# Altium PCB Spectre-Analyzer.PcbDoc (part 1 of 2) (continued)
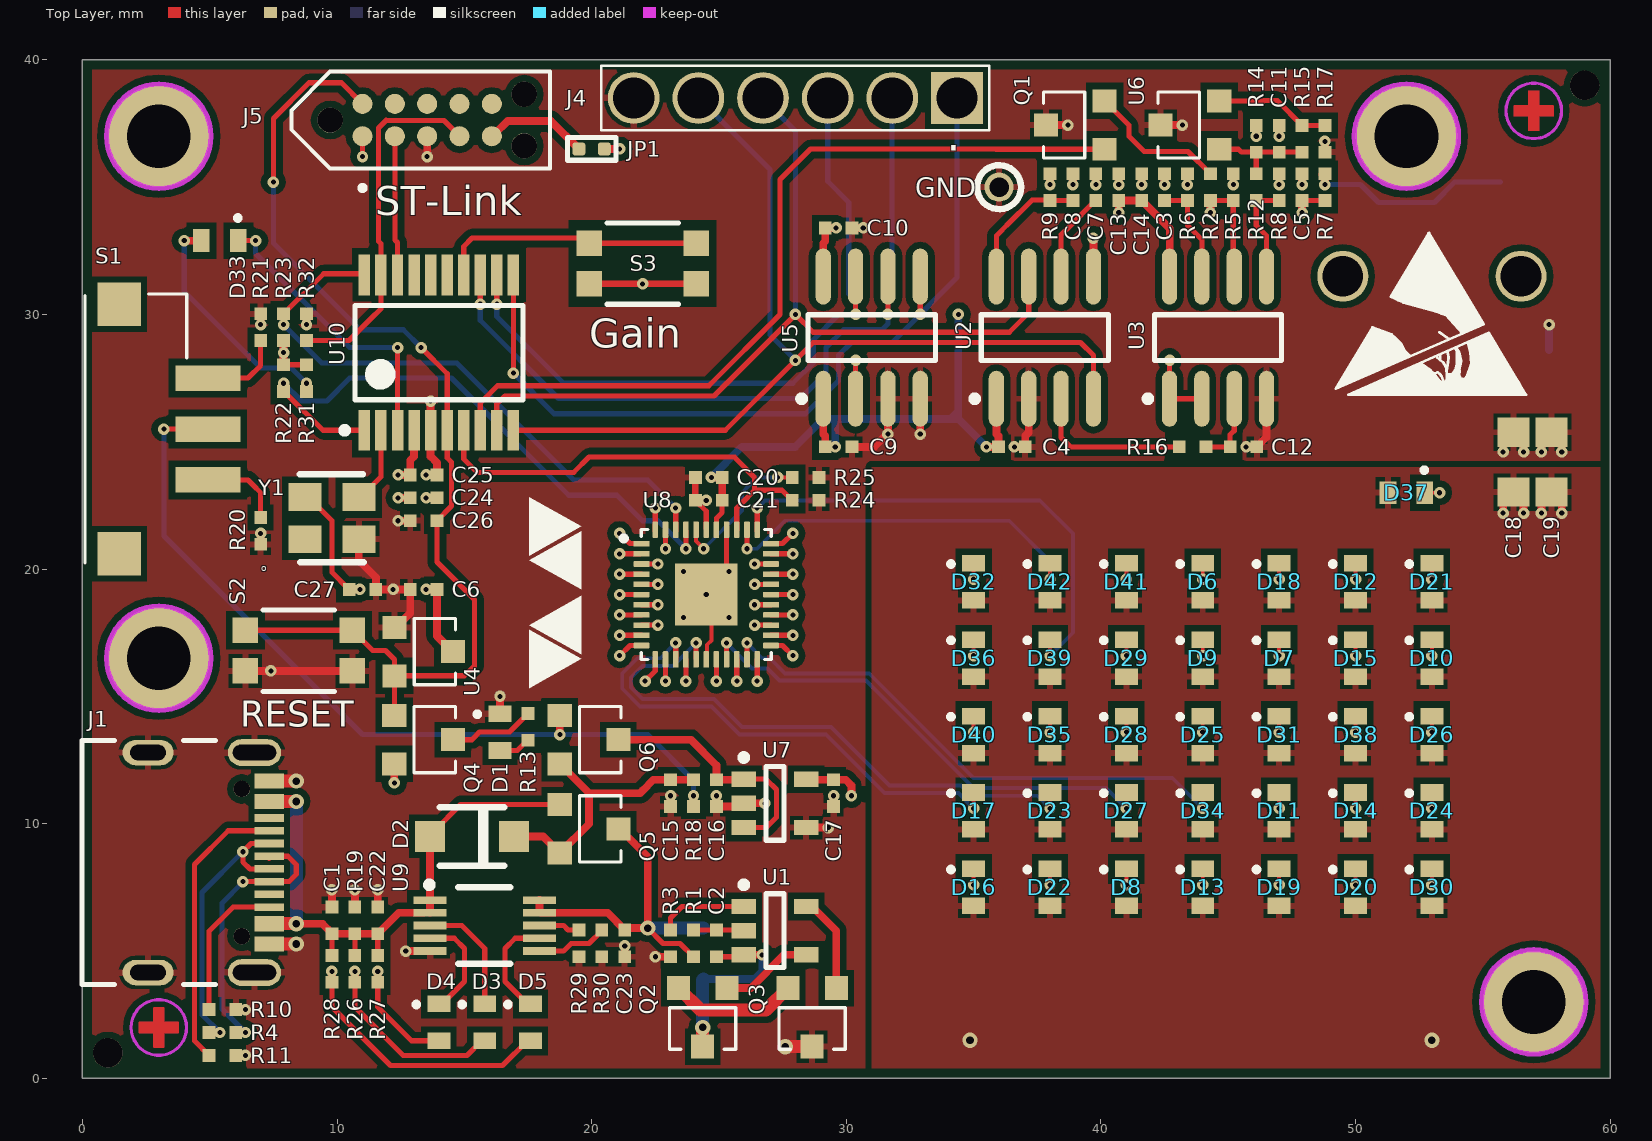
[diagram p0: Top Layer view]
## Footprints (in the part's own frame and the unit in brackets; to place one, negate y for a bottom-side part, rotate by r counter-clockwise, add the part's x,y. Pads: shape width x height; smd on the part's side, far side on the other; paste and mask are expansions set on the pad) (continued)
STX-3500-3NTR [mm]
  rect 2.475x1.8 smd: 1(-3.5,8.1) 3(3.7,6.2)
  rect 2.7x2.3 smd: 2(-3.4,-1.2)
  round 2 hole 1.6: ""(0,0) ""(0,7)
  body extent -4.5,-4 4.5,13, height 5
SW_SS312SAH4-R [mm]
  rect 2.55x1 smd: 1(1.525,-2) 2(1.525,0) 3(1.525,2)
  rect 1.7x1.7 smd: 4(-1.95,-4.9) 5(-1.95,4.9)
  silkscreen extent -3.3,-5.25 0.7,5.3, body extent -5.29,-5.25 2.16,5.25, height 3
TC2050-IDC-NL-FP [mm]
  round 0.787 smd paste-1: 1(0,0) 2(0,-1.27) 3(0,-2.54) 4(0,-3.81) 5(0,-5.08) 6(1.27,-5.08) 7(1.27,-3.81) 8(1.27,-2.54) 9(1.27,-1.27) 10(1.27,0)
  round 0.991 hole 0.991 unplated: ""(-0.38,-6.35) ""(0.635,1.27) ""(1.65,-6.35)
  silkscreen extent -2.13,-7.37 2.54,2.79
TSOT23-5 [mm] "5-Lead Thin Small Outline Transistor Package [TSOT] (UJ-5)"
  rect 0.95x0.6 smd mask+0.038: 1(-1.225,0.95) 2(-1.225,0) 3(-1.225,-0.95) 4(1.225,-0.95) 5(1.225,0.95)
  silkscreen extent -1.35,-1.45 0.35,1.92, body extent -1.57,-1.48 1.62,1.42, height 0.94
TSSOP-20 [mm]
  rect 1.6x0.45 smd mask+0.038: 1(-3.05,2.925) 2(-3.05,2.275) 3(-3.05,1.625) 4(-3.05,0.975) 5(-3.05,0.325) 6(-3.05,-0.325) 7(-3.05,-0.975) 8(-3.05,-1.625) 9(-3.05,-2.275) 10(-3.05,-2.925) 11(3.05,-2.925) 12(3.05,-2.275) 13(3.05,-1.625) 14(3.05,-0.975) 15(3.05,-0.325) 16(3.05,0.325) 17(3.05,0.975) 18(3.05,1.625) 19(3.05,2.275) 20(3.05,2.925)
  silkscreen extent -3.17,-3.3 1.85,3.82, body extent -3.22,-3.33 3.17,3.28, height 1.7
USB4105-GF-A [mm]
  oval 1.05x2.1 hole 0.6 slot 1.7 at 90 deg: 1(-4.295,2.758) 4(4.345,2.758)
  oval 1x2 hole 0.6 slot 1.4 at 90 deg: 2(-4.295,-1.422) 3(4.345,-1.422)
  rect 0.6x1.15 smd: A1_B12(-3.175,3.333) A4_B9(-2.375,3.333) B1_A12(3.225,3.333) B4_A9(2.425,3.333)
  rect 0.3x1.15 smd: A5(-1.225,3.333) A6(-0.225,3.333) A7(0.275,3.333) A8(1.275,3.333) B5(1.775,3.333) B6(0.775,3.333) B7(-0.725,3.333) B8(-1.725,3.333)
  round 0.65 hole 0.65 unplated: ""(-2.865,2.258) ""(2.915,2.258)
  silkscreen extent -4.76,-4.02 4.82,1.23, body extent -4.47,-4.06 4.47,3.64, height 3.27

## Part data
C1: library part CAP, "CAP CER 10UF 10V X5R 0402", Manufacturer="Samsung Electro-Mechanics", Part Number=CL05A106MP5NUNC, Voltage=10V, ClassName=-
C2 C3 C4 C6 C7 C12 C14 C21 C25 C26: library part CAP, "CAP CER 0.1UF 50V X7R 0402", Manufacturer="Taiyo Yuden", Part Number=UMK105B7104KVHF, Voltage=50V, ClassName=Interface
C5: library part CAP, "CAP CER 100PF 16V X7R 0402", Manufacturer="Vishay Vitramon", Part Number=VJ0402Y101KXJCW1BC, Voltage=16V
C8: library part CAP, "CAP CER 33PF 50V X7R 0402", Manufacturer="KYOCERA AVX", Part Number=04025C330JAT2A, Voltage=50V, ClassName=Interface
C9 C10 C11 C13 C15 C16 C17 C20 C22 C23 C24: library part CAP, "CAP CER 2.2UF 25V X5R 0402", Manufacturer="Murata Electronics", Part Number=GRM155R61E225KE11D, Voltage=25V
  C15 C16 C17 C22 C23 C24: ClassName=Interface
C18 C19: library part CAP, "CAP CER 22UF 25V X5R 0805", Manufacturer="Samsung Electro-Mechanics", Part Number=CL21A226MAYNNNE, Voltage=25V
C27: library part CAP, "CAP CER 0.01UF 100V X7R 0402", Manufacturer="Taiyo Yuden", Part Number=HMR105B7103MV-F, Voltage=100V, ClassName=Interface
D1 D5 D6 D12 D18 D21 D32 D41 D42: library part LED_Red, "Standard LEDs - SMD HE Red 645 nm Water Clear", Manufacturer="Hubei KENTO Elec", Part Number=KT-0603R, ClassName=Interface
D2: library part DIODE_SCHOTTKY, "DIODE SCHOTTKY 40V 1A SOD123", Manufacturer="Diodes Incorporated", Part Number=1N5819HW-7-F, ClassName="Power Input"
D3 D7 D9 D10 D15 D29 D36 D37 D39: library part LED_Red, "Standard LEDs - SMD HE Orange 598nm~608nm", Manufacturer="Yongyu Photoelectric", Part Number=SZYY0603O, ClassName=Interface
D4 D8 D11 D13 D14 D16 D17 D19 D20 D22 D23 D24 D27 D33 D34: library part LED_Red, "Standard LEDs - SMD HE Green 518nm Water Clear", Manufacturer="Everlight Elec", Part Number=19-217/GHC-YR1S2/3T, ClassName=Interface
D25 D26 D28 D31 D35 D38 D40: library part LED_Red, "Standard LEDs - SMD HE Yellow 585nm Water Clear", Manufacturer="Everlight Elec", Part Number=19-213/Y2C-CQ2R2L/3T(CY), ClassName=Interface
D30: library part LED_Red, "Standard LEDs - SMD HE Red 645 nm Water Clear", Manufacturer="Everlight Elec", Part Number=19-213/Y2C-CQ2R2L/3T(CY), ClassName=Interface
J1: "CONN RCP USB2.0 TYP C 24P SMD RA", Manufacturer=GCT, Part Number=USB4105-GF-A
J2: "CONN JACK STEREO 3.5MM SMD R/A", Manufacturer="Kycon, Inc.", Part Number=STX-3500-3NTR
J3: "CONN HEADER SMD R/A 2POS 2MM", Manufacturer="JST Sales America Inc.", Part Number=S2B-PH-SM4-TB(LF)(SN)
J4: library part 801-43-006-10-012000, "CONN SOCKET STRIP 6 POS 0.1\"", Manufacturer=Mill-Max, Part Number=801-43-006-10-012000
J5: "CBL PLUG-OF-NAILS 10-PIN", Manufacturer="Tag-Connect LLC", Part Number=TC2050-IDC-NL
JP1: library part SolderJumper_Single, "Solder Jumper Single 0.5mm Pitch"
Q1 Q2 Q3: library part MOSFET_N, "MOSFET N-CH 30V 5.7A SOT23-3L", Manufacturer="Alpha & Omega Semiconductor Inc.", Part Number=AO3400A
Q4 Q5 Q6: library part MOSFET_P, "MOSFET P-CH 30V 4A SOT23-3L", Manufacturer="Alpha & Omega Semiconductor Inc.", ClassName="Power Input", Part Number=AO3401A
R1: library part RES, "RES 330 OHM 1% 1/16W 0402", Manufacturer=Bourns, Part Number=CR0402AFX-3300GLF
R2 R5 R6 R8 R12 R17 R18 R19 R24 R29 R32: library part RES, "RES SMD 10K OHM 1% 1/16W 0402", Manufacturer=Bourns, Part Number=CR0402-FX-1002GLF
  R18 R19 R24 R29 R32: ClassName="Power Input"
R3 R30: library part RES, "RES SMD 2.7K OHM 1% 1/16W 0402", Manufacturer=Bourns, Part Number=CR0402-FX-2701GLF, ClassName=Interface
R4 R20 R21: library part RES, "Thick Film Resistors - SMD 1/16watt 0ohm Commercial Use", Manufacturer="Vishay / Dale", Part Number=CRCW04020000Z0EDC, ClassName=-
R7 R14: library part RES, "RES SMD 680 OHM 1% 1/16W 0402", Manufacturer=Bourns, Part Number=CR0402-FX-6800GLF
R9: library part RES, "RES SMD 200K OHM 1% 1/16W 0402", Manufacturer=Bourns, Part Number=CR0402-FX-2003GLF
R10 R11 R22 R23: library part RES, "RES SMD 5.1K OHM 1% 1/16W 0402", Manufacturer="Vishay / Dale", Part Number=CRCW04025K10FKED, ClassName=-
R13: library part RES, "RES SMD 1K OHM 1% 1/16W 0402", Manufacturer=Bourns, Part Number=CR0402-FX-1001GLF, ClassName="Power Input"
R15 R25: library part RES, "RES SMD 3.3K OHM 1% 1/16W 0402", Manufacturer=Bourns, Part Number=CR0402-FX-3301GLF
R16 R26 R27 R28 R31: library part RES, "RES 1K OHM 1% 1/16W 0402", Manufacturer=Bourns, Part Number=CR0402AFX-1001GLF
  R31: ClassName=Interface
S1: "SWITCH SLIDE SPDT 0.4VA 28V", Manufacturer="NKK Switches", Part Number=SS312SAH4-R
S2 S3: library part "KMR 2 Series", "SWITCH TACTILE SPST-NO 0.01A 32V", Manufacturer=C&K, Part Number=KMR243GLFG
U1: library part AP9101CAK-AKTRG1, "IC BATT PROT LI-ION 1CELL SOT25", Manufacturer="Diodes Incorporated", Part Number=AP9101CAK-AKTRG1
U2: library part MSGEQ7, "SWITCHED CAPA AUDIO ANALYZER SOIC-8", Manufacturer="Mixed Signal Integrated", Part Number=MSGEQ7N
U3: library part AD8072, "IC OPAMP GP 2 CIRCUIT 8SOIC", Manufacturer="Microchip Technology", Part Number=MCP6002-E/SN
U4: library part TPS3809x, "IC SUPERVISOR 1 CHANNEL SOT23-3", Manufacturer="Texas Instruments", Part Number=TPS3809K33DBVR
U5: "IC ADC 10BIT SAR 8SOIC", Manufacturer="Microchip Technology", Part Number=MCP3001T-I/SN
U6: library part TL431xxDBZR, "IC VREF SHUNT ADJ SOT23-3", Manufacturer=onsemi, Part Number=TLV431ASN1T1G
U7: library part TPS782xxDDCR, "IC REG LINEAR 3.3V 150MA SOT23-5", Manufacturer="Texas Instruments", Part Number=TPS78233DDCR
U8: "IC LED DRIVER LINEAR 38MA 44QFN", Manufacturer="Lumissil Microsystems", Part Number=IS31FL3236A-QFLS2-TR
U9: "IC BATT CNTRL LI-ION 1CEL 10MSOP", Manufacturer=Microchip, Part Number=MCP73833-CNI/UN
U10: library part STM32G031FxP6, "IC MCU 32BIT 64KB FLASH 20TSSOP", Manufacturer=STMicroelectronics, Part Number=STM32G031F8P6
Y1: library part ASE-XXXXX-MHZ-X-X, "OSC XO 10.000MHZ CMOS SMD", Manufacturer=Abracon, ClassName=Interface, Part Number=ASE-10.000-MHZ-E-T

## Free pads (board coordinates)
  round 1.152 hole 1.152 unplated: TH(1,1) TH(59,39)
  round 4 hole 2.5: ""(3,16.5) ""(3,37) ""(52,37) ""(57,3)
  round 1.143 hole 0.762: ""(36,35)

## Via types
v1: diameter 0.45, hole 0.2, Top Layer to Bottom Layer, tented both sides, 184 vias
v2: diameter 0.6, hole 0.3, Top Layer to Bottom Layer, tented both sides, 9 vias

## Nets (pads, with @x,y where several pads share a name; then routed paths per layer and width w, separated by ;. In a path a pad name is that pad's centre, name@x,y a point inside that pad or via, vN(x,y) a via of type N, cw(c..) or ccw(c..) an arc to the next point about the centre after c; other vN are vias at no path point)
+3.3V: C4.2 C6.2 C9.2 C10.2 C13.2 C14.2 C17.2 C18.2 C19.2 C20.2 C21.2 C24.2 C25.2 C27.2 D6.1 D7.1 D8.1 D9.1 D10.1 D11.1 D12.1 D13.1 D14.1 D15.1 D16.1 D17.1 D18.1 D19.1 D20.1 D21.1 D22.1 D23.1 D24.1 D25.1 D26.1 D27.1 D28.1 D29.1 D30.1 D31.1 D32.1 D34.1 D35.1 D36.1 D37.1 D38.1 D39.1 D40.1 D41.1 D42.1 J5.1 JP1.2 Q4.3 R9.1 R14.1 R22.2 R23.2 R31.2 U2.1 U3.8 U4.3 U5.1 U5.8 U7.5 U8.38 U10.4 Y1.4 | length 50.7
  Top Layer w0.203: R22.2@7.9,28.025 8.775,28.025 R31.2@8.8,28 ; Y1.4@9.2,22.5 9.8,21.9 9.8,19.875 C27.2@10.475,19.2 ; v1(11,36.2) J5.1@11,36.9 ; U8.38@24.9,21.545 24.9,22 25.125,22.225 C21.2@25.125,22.7
  Top Layer w0.305: R23.2@7.8,29 7.9,28.9 v1(7.9,28.5) R22.2@7.9,28.1 ; C27.2@10.4,19.3 10.5,19.2 v1(10.9,19.2) ; v1(12.25,11.6) 12.25,12.15 Q4.3@12.3,12.2 ; v1(12.4,22.8) C24.2@12.875,22.8 ; v1(12.4,23.7) C25.2@12.8,23.7 ; C25.2@12.875,23.7 12.875,24.275 13.025,24.425 U10.4@13.025,25.45 ; v1(13.5,19.2) C6.2@13.9,19.2 ; C6.2@13.925,19.2 13.925,17.375 U4.3@14.3,17 ; JP1.2@20.5,36.5 v1(21.1,36.5) ; v1(24.7,23.6) 25.1,23.6 25.125,23.575 C21.2@25.125,22.7 ; U7.5@28.5,11.7 28.525,11.725 C17.2@29.5,11.725 29.975,11.725 30.2,11.5 v1(30.2,11.1) ; U5.8@29.095,31.49 29.095,32.795 29.175,32.875 C10.2@29.175,33.4 v1(29.6,33.4) ; U5.1@29.1,26 29.1,25.3 29.175,25.225 C9.2@29.175,24.8 ; C9.2@29.2,24.8 v1(29.565,24.8) ; v1(35.5,24.8) C4.2@35.9,24.8 ; U2.1@35.895,26.69 35.895,25.305 35.975,25.225 C4.2@35.975,24.8 ; v1(38,35.1) R9.1@38,35.5 ; v1(40.7,34) C13.2@40.7,34.475 ; C13.2@40.7,34.5 C13.2@40.7,34.475 ; C14.2@41.6,34.475 42.7,33.375 U3.8@42.7,31.9 ; C14.2@41.6,34.5 41.575,34.475 C13.2@40.7,34.475 ; v1(46.1,37) R14.1@46.1,37.4 ; v1(55.8,22.2) 55.8,22.9 C18.2@55.9,23 ; v1(56.6,22.2) C18.2@56.6,22.7 ; v1(57.3,22.2) 57.3,22.8 C19.2@57.4,22.9 ; v1(58.1,22.2) C19.2@58.1,22.9
  Bottom Layer w0.305: v1(24.7,23.6) 25.9,24.8 28,24.8 29.1,25.9 29.6,25.9 ; v1(29.565,24.8) 29.565,25.865 29.6,25.9 ; 30.7,25.9 34.4,25.9 ; 30.9,25.9 29.6,25.9 ; 34.1,25.9 34.4,26.2 ; v1(34.4,30) 34.4,25.9 ; v1(35.5,24.8) 34.4,25.9
  other v2: 34.859,1.5 53,1.5
BAT-: C2.1 J3.2 Q2.3 U1.3 | length 7.7
  Top Layer w0.203: C2.1@24.9,4.775 25.975,4.775 U1.3@26,4.8
  Top Layer w0.305: U1.3@25.975,4.85 26.65,4.85 v1@26.7,4.8
  Top Layer w0.508: v2(24.359,2) Q2.3@24.359,1.245 24.359,1.241 Q2.3@24.4,1.2
  Bottom Layer w0.305: J3.2@24.4,3.9 26.4,3.9 26.7,4.2 v1(26.7,4.85)
  Bottom Layer w0.508: v2(24.359,2) 24.359,3.859 J3.2@24.4,3.9
GAIN_ADJ: Q1.1 U10.8 | length 32.9
  Top Layer w0.203: U10.8@15.6,25.1 U10.8@15.625,25.075 ; U10.8@15.625,25.45 15.625,26.525 16.3,27.2 24.6,27.2 27.4,30 27.4,35.3 28.6,36.5 35.881,36.5 35.891,36.491 Q1.1@40.145,36.491
GAIN_SELECT: S3.2 U10.14 | length 10.4
  Top Layer w0.203: U10.14@14.975,31.55 14.975,32.675 15.3,33 S3.2@19.9,33 ; S3.2@19.9,32.8 S3.2@24.1,32.8
GND: C1.1 C4.1 C5.1 C6.1 C7.1 C8.1 C9.1 C10.1 C11.1 C12.1 C13.1 C14.1 C15.1 C16.1 C17.1 C18.1 C19.1 C20.1 C21.1 C22.1 C23.1 C24.1 C25.1 C26.1 C27.1 D1.2 J1.1 J1.2 J1.3 J1.4 J1.A1_B12 J1.B1_A12 J2.1 J4.6 J5.3 pad.@36,35 Q1.3 Q3.3 R3.2 R5.1 R10.1 R11.1 R17.2 R19.1 R20.2 R21.2 R24.1 R25.2 R29.1 R30.2 R32.1 S2.1 S3.1 U2.2 U3.4 U4.1 U5.3 U5.4 U6.3 U7.2 U7.4 U8.17 U8.37 U8.39 U8.45 U9.5 U10.5 Y1.2 | length 54.5
  Top Layer w0.152: U8.17@24.5,16.455 24.528,16.483 24.528,17.028 24.7,17.2 U8.45@24.7,18
  Top Layer w0.203: C21.1@24.075,22.7 24.5,22.275 U8.39@24.5,21.6 ; U8.45@25.3,20 U8.37@25.3,21.545
  Top Layer w0.254: S3.1@19.9,31.2 v1(22,31.2) S3.1@24.2,31.2 ; C21.1@24.075,22.7 24.075,23.575 C20.1@24.1,23.6 ; U8.45@24.7,18 U8.45@24.8,18.1 ; C18.1@56.6,25.1 C18.1@56.6,25.2 ; C19.1@57.3,25.1 C19.1@57.3,25.2
  Top Layer w0.3: v1(55.8,24.6) C18.1@55.8,25.1
  Top Layer w0.305: R10.1@6,2.7 v1(6.4,2.7) ; R11.1@6.1,0.9 v1(6.4,0.9) ; S2.1@6.4,16 S2.1@10.6,16 ; R20.2@7,21 v1(7,21.4) ; v1(7,29.6) R21.2@7,30 ; v1(8.8,29.6) R32.1@8.8,30 ; C1.1@9.8,6.7 v1(9.8,7.4) ; R19.1@10.7,6.7 R19.1@10.7,6.725 v1(10.7,7.4) ; Y1.2@10.854,21.174 10.854,20.346 11.525,19.675 C27.1@11.525,19.2 v1(12.2,19.2) C6.1@12.875,19.2 12.875,18.275 U4.1@12.5,17.9 ; C22.1@11.6,6.8 v1(11.6,7.4) ; v1(12.4,21.9) C26.1@12.8,21.9 ; v1(12.7,5) U9.5@13.65,5 ; v1(13.5,22.8) C24.1@13.9,22.8 ; v1(13.5,23.7) C25.1@13.8,23.7 ; J5.3@13.5,37 13.54,36.96 v1(13.54,36.2) ; v1@13.7,26.6 13.675,26.575 U10.5@13.675,25.45 13.675,24.425 13.925,24.175 C25.1@13.925,23.7 ; D1.2@16.4,14.325 v1(16.4,15) ; C23.1@21.3,4.8 C23.1@21.3,4.775 v1(21.3,5.2) ; v1(22.5,4.775) 23.075,4.775 R3.2@23.1,4.8 ; C15.1@23.1,10.7 v1(23.1,11.1) ; C21.1@24.1,22.7 v1(24.5,22.7) ; C16.1@24.9,10.675 25.875,10.675 U7.2@25.9,10.7 ; C16.1@24.9,10.7 v1(24.9,11.1) ; U7.2@25.975,10.8 v1(26.8,10.8) ; U7.4@28.5,9.9 28.55,9.85 v1(29.3,9.85) ; Q3.3@28.655,1.245 Q3.3@28.7,1.2 ; C17.1@29.5,10.7 v1(29.5,11.1) ; C9.1@30.225,24.8 31.1,24.8 v1@31.6,25.3 ; C10.1@30.3,33.4 v1(30.665,33.4) ; U5.3@31.6,26.5 31.635,26.465 v1(31.635,25.3) ; U5.4@32.9,26.2 32.905,26.195 v1(32.905,25.3) ; v1(36.6,24.8) C4.1@37,24.8 ; C4.1@37.025,24.8 37.025,25.225 37.165,25.365 U2.2@37.165,26.69 ; Q1.3@37.845,37.441 38.659,37.441 v1@38.7,37.4 ; v1(38.9,35.1) C8.1@38.9,35.5 ; v1(39.8,35.1) C7.1@39.8,35.5 ; v1(40.7,35.1) C13.1@40.7,35.5 ; v1(41.6,35.1) C14.1@41.6,35.5 ; U6.3@42.345,37.441 43.159,37.441 v1@43.2,37.4 ; v1(45.7,24.8) C12.1@46.1,24.8 ; C12.1@46.125,24.8 46.5,25.175 U3.4@46.5,26.4 ; v1(47,37) C11.1@47,37.4 ; v1(47.9,35.1) C5.1@47.9,35.525 ; R17.2@48.8,36.375 v1(48.8,36.8) ; v1(56.6,24.6) C18.1@56.6,25.1 ; v1(57.3,24.6) C19.1@57.3,25.1 ; C19.1@58,25.1 58.1,25 v1(58.1,24.6)
  Top Layer w0.508: J1.B1_A12@7.333,5.275 8.375,5.275 v2@8.4,5.3 ; J1.A1_B12@7.333,11.675 8.375,11.675 v2@8.4,11.7 ; v2(27.6,1.245) Q3.3@28.655,1.245
  Bottom Layer w0.305: J2.1@57.6,28.6 v1(57.6,29.6)
  other v1: 7.4,16 23.6,18.1 25.4,18.1 24.5,19 23.6,19.9 25.4,19.9 13.675,26.6 45.2,35.1 38.7,37.441 43.2,37.441
  other v2: 8.4,5.275 8.4,11.675
LED_EN: R24.2 U8.36 U10.7 | length 17.4
  Top Layer w0.203: U10.7@14.975,25.45 14.975,24.325 15.5,23.8 19.3,23.8 19.9,24.4 25.6,24.4 26.4,23.6 26.4,23.1 ; U8.36@25.7,21.545 25.7,22.4 25.9,22.6 26.4,23.1 ; R24.2@27.9,22.7 R24.2@27.875,22.7 27.475,23.1 26.4,23.1
MCU_SCL: R23.1 U8.42 U10.20 | length 23.1
  Top Layer w0.203: R23.1@7.9,30.025 9.475,31.6 U10.20@11.1,31.6 ; U8.42@23.3,21.5 U8.42@23.3,21.545 v1(23.3,22.4)
  Bottom Layer w0.203: v1(7.9,29.6) 9.4,28.1 14.7,28.1 18.2,24.6 19.3,23.5 22.2,23.5 v1(23.3,22.4)
MCU_SDA: R22.1 U8.41 U10.1 | length 23.8
  Top Layer w0.203: R22.1@7.9,26.9 8,26.9 9.45,25.45 U10.1@11.075,25.45 ; R22.1@7.9,26.975 R22.1@7.937,26.938 ; v1(23.7,20.8) U8.41@23.7,21.5
  Bottom Layer w0.203: v1(7.9,27.3) 8.6,26.6 9.6,26.6 10.5,27.5 14.5,27.5 19.1,22.9 21,22.9 22,21.9 22.6,21.9 v1(23.7,20.8)
MCU_SPI_NSS: J4.1 U5.5 U10.11 | length 32.6
  Top Layer w0.203: 16.9,30.4 16.925,30.375 v1(16.925,27.7) ; 16.925,30.4 16.925,31.125 U10.11@17,31.2 ; U5.5@32.9,31 32.905,30.995 v1(32.905,30)
  Bottom Layer w0.203: v1@16.925,27.8 v1(16.925,27.7) 18.525,26.1 28.4,26.1 29.7,27.4 29.7,28.4 30.2,28.9 31.805,28.9 v1(32.905,30) ; v1@32.9,30 34.35,31.45 J4.1@34.35,38.5
MCU_SPI_SCK: J4.3 U5.7 U10.12 | length 28
  Top Layer w0.203: v1(16.275,30.4) 16.275,31.175 U10.12@16.3,31.2 ; v1(30.365,30) 30.365,30.865 U5.7@30.4,30.9
  Bottom Layer w0.203: v1(16.275,30.4) 16.275,29.925 18.9,27.3 27.9,27.3 28.7,28.1 28.7,29 29.7,30 v1(30.365,30) 30.365,30.535 30.1,30.8 30.1,34.4 29.27,35.23 J4.3@29.27,38.5
MCU_SPI_SDI: J4.2 U5.6 U10.13 | length 30.5
  Top Layer w0.203: v1(15.625,30.4) 15.625,31.125 U10.13@15.7,31.2 ; v1(31.635,30) 31.635,30.935 U5.6@31.7,31
  Bottom Layer w0.203: v1(15.625,30.4) 15.625,29.775 18.7,26.7 28.2,26.7 29.2,27.7 29.2,28.7 29.9,29.4 31.4,29.4 31.635,29.635 v1(31.635,30) 31.635,30.535 31.8,30.7 J4.2@31.8,38.5
MSG_CLK: J4.5 U2.4 U10.10 | length 38
  Top Layer w0.203: U10.10@16.925,25.45 25.25,25.45 v1(28,28.2) 28.7,28.9 39.2,28.9 39.705,28.395 U2.4@39.705,26.69
  Bottom Layer w0.203: J4.5@24.19,38.5 27,35.69 27,29.2 v1(28,28.2)
MSG_OUT: R16.1 U2.3 | length 6.3
  Top Layer w0.203: U2.3@38.435,26.69 38.435,25.165 38.8,24.8 R16.1@43.075,24.8 R16.1@43.1,24.8
MSG_RST: J4.4 U2.7 U10.9 | length 34.4
  Top Layer w0.203: U10.9@16.275,25.45 16.275,26.475 16.6,26.8 24.8,26.8 v1(28,30) 28.7,29.3 36.4,29.3 37.165,30.065 U2.7@37.165,31.49
  Bottom Layer w0.203: J4.4@26.7,38.5 28,37.2 v1(28,30)
NetC2_2: C2.2 R1.2 U1.2 | length 1.8
  Top Layer w0.203: R1.2@24,5.8 24.025,5.825 C2.2@24.9,5.825 25.775,5.825 U1.2@25.8,5.8
NetC3_1: C3.1 U2.5 | length 6.2
  Top Layer w0.305: v1(39.7,33) 39.705,32.995 U2.5@39.705,31.49 ; v1(42.5,35.1) 42.5,35.4 C3.1@42.6,35.5
  Inner Layer 2 w0.203: v1(39.7,33) 41.4,33 42.1,33.7 42.1,34.7 v1(42.5,35.1)
NetC3_2: C3.2 R6.2 U3.7 | length 4.1
  Top Layer w0.203: C3.2@42.5,34.475 43.375,34.475 R6.2@43.4,34.5 ; R6.2@43.4,34.475 43.4,33.5 43.8,33.1 43.965,32.935 U3.7@43.965,31.49
NetC5_2: C5.2 R7.2 R8.1 | length 3.2
  Top Layer w0.203: C5.2@47.9,34.475 48.775,34.475 R7.2@48.8,34.5
  Top Layer w0.305: v1(47.9,34) C5.2@47.9,34.475
  Inner Layer 2 w0.203: v1(47,35.1) 47,34.4 47.4,34 v1(47.9,34)
NetC7_2: C7.2 U2.6 | length 3.4
  Top Layer w0.203: U2.6@38.435,31.49 38.435,33.135 38.8,33.5 C7.2@39.7,34.4
NetC8_2: C8.2 R9.2 U2.8 | length 5.3
  Top Layer w0.203: U2.8@35.895,31.49 35.895,33.095 36.4,33.6 ; 36.295,33.495 37.3,34.5 37.9,34.5 R9.2@38,34.4 ; R9.2@38.125,34.475 C8.2@38.9,34.475
NetC12_2: C12.2 R16.2 U3.3 | length 2.8
  Top Layer w0.203: R16.2@44.125,24.8 C12.2@45,24.8 ; C12.2@45.075,24.8 45.075,25.275 45.2,25.4 ; 45.235,25.435 U3.3@45.235,26.69
NetC15_2: C15.2 D2.2 Q5.3 Q6.3 R18.2 | length 10.4
  Top Layer w0.305: D2.2@16.951,9.5 18.1,9.5 Q5.3@18.7,8.9 ; Q5.3@18.75,8.85 19.9,10 19.9,11.2 ; Q6.3@19,12.1 19.9,11.2 ; R18.2@24,11.7 23.975,11.725 C15.2@23.1,11.725 22.425,11.725 22,11.3 21.9,11.2 19.9,11.2
NetC16_2: C16.2 Q6.2 U7.1 U7.3 | length 9.9
  Top Layer w0.203: U7.3@25.975,9.85 26.85,9.85 27.254,10.254 27.254,11.346 26.85,11.75 U7.1@25.975,11.75
  Top Layer w0.305: Q6.2@21.05,13.3 23.9,13.3 24.9,12.3 C16.2@24.9,11.8 ; C16.2@24.9,11.725 25.975,11.725 U7.1@26,11.7
NetD1_1: D1.1 R13.1 | length 1.1
  Top Layer w0.203: D1.1@16.4,12.875 17.075,12.875 R13.1@17.4,13.2
NetD3_1: D3.1 R26.2 | length 7.7
  Top Layer w0.203: R26.2@10.7,3.8 10.7,2.8 12.6,0.9 15.1,0.9 15.675,1.475 D3.1@15.8,1.475 ; D3.1@15.675,1.275 D3.1@15.8,1.275
  Top Layer w0.305: R26.2@10.7,3.775 v1(10.7,4.2)
NetD3_2: D3.2 U9.3 | length 4.3
  Top Layer w0.203: U9.3@14,6 14.9,6 15.8,5.1 D3.2@15.8,2.925
NetD4_1: D4.1 R27.2 | length 4.3
  Top Layer w0.203: R27.2@11.6,3.8 11.6,2.8 12.925,1.475 D4.1@14,1.475
  Top Layer w0.305: R27.2@11.6,3.8 v1(11.6,4.2)
NetD4_2: D4.2 U9.4 | length 3.8
  Top Layer w0.203: D4.2@14,2.925 14.125,2.925 15,3.8 15,5.1 14.6,5.5 U9.4@14,5.5
NetD5_1: D5.1 R28.2 | length 10.6
  Top Layer w0.203: R28.2@9.8,3.8 R28.2@9.8,3.775 9.8,2.8 12.1,0.5 16.5,0.5 17.475,1.475 D5.1@17.6,1.475
  Top Layer w0.305: R28.2@9.8,3.8 v1(9.8,4.2)
NetD5_2: D5.2 U9.7 | length 3.8
  Top Layer w0.203: D5.2@17.3,3 17.3,3.1 16.6,3.8 16.6,5.1 17,5.5 U9.7@17.8,5.5
NetD6_2: D6.2 U8.43 | length 25.6
  Top Layer w0.152: v1(44,19.6) D6.2@44,20.1
  Top Layer w0.203: v1(22.9,20.8) U8.43@22.9,21.5
  Inner Layer 2 w0.152: v1(22.9,20.8) 23.6,21.5 23.9,21.8 25.1,21.8 26.128,22.828 27.828,22.828 28.3,23.3 41.6,23.3 44,20.9 v1(44,19.6)
NetD7_2: D7.2 U8.5 | length 38.5
  Top Layer w0.152: v1(47,16.6) 47,17.2 D7.2@47.1,17.3
  Top Layer w0.203: U8.5@21.955,19.4 v1(22.6,19.4)
  Inner Layer 2 w0.152: v1(22.6,19.4) 21.6,20.4 21.6,22.501 22.699,23.6 ; 22.7,23.6 23.6,24.5 28,24.5 28.3,24.2 45,24.2 48,21.2 48,17.6 v1(47,16.6)
NetD8_2: D8.2 U8.11 | length 26.2
  Top Layer w0.152: v1(41,7.6) D8.2@41,8.2
  Top Layer w0.203: v1(21.1,16.6) 21.5,17 U8.11@21.955,17
  Inner Layer 2 w0.152: v1(21.1,16.6) 21.021,16.521 21.021,15.184 23.684,12.521 31.379,12.521 33.4,10.5 33.41,10.5 35.21,8.7 39.9,8.7 v1(41,7.6)
NetD9_2: D9.2 U8.44 | length 30.4
  Top Layer w0.152: v1(44,16.6) D9.2@44,17.2
  Top Layer w0.203: U8.44@22.5,21.5 v1(22.5,22.4)
  Inner Layer 2 w0.152: v1(22.5,22.4) 23.1,21.8 23.505,21.8 23.802,22.098 25.002,22.098 25.252,22.348 ; 25.25,22.35 26.072,23.172 27.772,23.172 28.2,23.6 41.7,23.6 44.9,20.4 44.9,17.5 v1(44,16.6)
NetD10_2: D10.2 U8.6 | length 48.6
  Top Layer w0.152: v1(53,16.6) D10.2@53,17.1
  Top Layer w0.203: v1(21.1,19) U8.6@21.955,19
  Inner Layer 2 w0.152: v1(21.1,19) 20,20.1 20,22.5 23.138,25.638 27.638,25.638 28.6,26.6 48.9,26.6 52.8,22.7 ; 52.6,22.9 53.8,21.7 53.8,17.4 v1(53,16.6)
NetD11_2: D11.2 U8.12 | length 28.5
  Top Layer w0.152: v1(47,10.6) D11.2@47,11.1
  Top Layer w0.203: v1(22.1,15.6) 22.5,16 U8.12@22.5,16.455
  Inner Layer 2 w0.152: v1(22.1,15.6) 24.3,13.4 31.705,13.4 34.002,11.103 45.6,11.103 ; 45.6,11.1 46.5,11.1 v1(47,10.6)
NetD12_2: D12.2 U8.1 | length 37.4
  Top Layer w0.152: v1(50,19.6) D12.2@50,20.2
  Top Layer w0.203: v1(21.1,21.4) 21.5,21 U8.1@21.955,21
  Inner Layer 2 w0.152: v1(21.1,21.4) 21.1,22.396 22.584,23.879 22.584,23.884 23.5,24.8 28,24.8 28.928,25.728 42.787,25.728 42.8,25.741 47.259,25.741 50,23 v1(50,19.6)
NetD13_2: D13.2 U8.7 | length 31
  Top Layer w0.152: v1(44,7.6) D13.2@44,8.2
  Top Layer w0.203: U8.7@21.955,18.6 v1(22.6,18.6)
  Inner Layer 2 w0.152: v1(22.6,18.6) 21.6,17.6 21.6,16.3 21.3,16 21.3,15.3 23.8,12.8 31.505,12.8 35.305,9 42.6,9 v1(44,7.6)
NetD14_2: D14.2 U8.13 | length 30.5
  Top Layer w0.152: v1(50,10.6) D14.2@50,11.1
  Top Layer w0.203: v1(22.9,15.6) U8.13@22.9,16.455
  Inner Layer 2 w0.152: v1(22.9,15.6) 24.8,13.7 31.8,13.7 34.118,11.382 49.218,11.382 v1(50,10.6)
NetD15_2: D15.2 U8.2 | length 42.8
  Top Layer w0.152: v1(50,16.6) D15.2@50,17.225
  Top Layer w0.203: v1(21.1,20.6) U8.2@21.9,20.6
  Inner Layer 2 w0.152: v1(21.1,20.6) 20.672,21.028 20.672,22.372 23.379,25.079 27.879,25.079 28.821,26.021 47.375,26.021 50.8,22.595 50.8,17.4 v1(50,16.6)
NetD16_2: D16.2 U8.8 | length 23
  Top Layer w0.152: v1(35,7.6) D16.2@35,8.2
  Top Layer w0.203: v1(21.1,18.2) U8.8@21.955,18.2
  Inner Layer 2 w0.152: v1(21.1,18.2) 20.3,17.4 20.3,15.1 23.5,11.9 31.205,11.9 32.052,11.052 32.052,11.048 35,8.1 v1(35,7.6)
NetD17_2: D17.2 U8.14 | length 20.1
  Top Layer w0.152: v1(35,10.6) D17.2@35,11.1
  Top Layer w0.203: U8.14@23.3,16.455 v1(23.3,17.1)
  Bottom Layer w0.152: v1(23.3,17.1) 22.7,16.5 21.8,16.5 21.2,15.9 21.2,15.305 21.905,14.6 24.7,14.6 25.8,13.5 29.2,13.5 31.5,11.2 34.4,11.2 v1(35,10.6)
NetD18_2: D18.2 U8.3 | length 32.7
  Top Layer w0.152: v1(47,19.6) D18.2@47,20.2
  Top Layer w0.203: U8.3@21.955,20.2 v1@22.5,20.2
  Inner Layer 2 w0.152: v1(22.6,20.2) 21.9,20.9 21.9,22.406 22.815,23.321 ; 22.816,23.321 23.695,24.2 27.9,24.2 28.2,23.9 44.9,23.9 47,21.8 v1(47,19.6)
NetD19_2: D19.2 U8.9 | length 32.7
  Top Layer w0.152: v1(47,7.6) D19.2@47,8.2
  Top Layer w0.203: U8.9@21.955,17.8 v1(22.6,17.8)
  Inner Layer 2 w0.152: v1(22.6,17.8) 21.9,17.1 21.9,16.1 21.6,15.8 21.6,15.4 23.879,13.121 31.579,13.121 35.4,9.3 45.3,9.3 v1(47,7.6)
NetD20_2: D20.2 U8.15 | length 34.4
  Top Layer w0.152: v1(50,7.6) D20.2@50,8.2
  Top Layer w0.203: v1(23.7,15.6) U8.15@23.7,16.455
  Inner Layer 2 w0.152: v1(23.7,15.6) 25.3,14 31.91,14 34.248,11.662 50.138,11.662 51,10.8 51,8.6 v1(50,7.6)
NetD21_2: D21.2 U8.4 | length 43
  Top Layer w0.152: v1(53,19.6) D21.2@53,20.4
  Top Layer w0.203: v1@21.2,19.8 U8.4@21.955,19.8
  Inner Layer 2 w0.152: v1(21.1,19.8) 20.3,20.6 20.3,22.4 23.259,25.359 27.759,25.359 28.7,26.3 48.8,26.3 53,22.1 v1(53,19.6)
NetD22_2: D22.2 U8.10 | length 24.4
  Top Layer w0.152: v1(38,7.6) D22.2@38,8.2
  Top Layer w0.203: v1(21.1,17.4) U8.10@21.955,17.4
  Inner Layer 2 w0.152: v1(21.1,17.4) 20.6,16.9 20.6,15.2 23.6,12.2 31.3,12.2 35.1,8.4 37.2,8.4 v1(38,7.6)
NetD23_2: D23.2 U8.16 | length 23.2
  Top Layer w0.152: v1(38,10.6) D23.2@38,11.3
  Top Layer w0.203: U8.16@24.1,16.5 v1(24.1,17.1)
  Bottom Layer w0.152: v1(24.1,17.1) 23.2,16.2 22,16.2 21.55,15.75 21.55,15.35 22,14.9 24.8,14.9 25.9,13.8 29.4,13.8 31.7,11.5 34.5,11.5 34.9,11.1 37.5,11.1 v1(38,10.6)
NetD24_2: D24.2 U8.18 | length 31.7
  Top Layer w0.152: v1(53,10.6) D24.2@53,11.2
  Top Layer w0.203: v1(24.9,15.6) U8.18@24.9,16.5
  Inner Layer 2 w0.152: v1(24.9,15.6) 26.2,14.3 32.005,14.3 34.364,11.941 51.659,11.941 v1(53,10.6)
NetD25_2: D25.2 U8.24 | length 19.2
  Top Layer w0.152: v1(44,13.6) D25.2@44,14.225
  Top Layer w0.203: U8.24@27.045,17.4 v1(27.9,17.4)
  Inner Layer 2 w0.152: v1(27.9,17.4) 31.8,17.4 34.279,14.921 42.679,14.921 v1(44,13.6)
NetD26_2: D26.2 U8.30 | length 29.2
  Top Layer w0.152: v1(53,13.6) 53,14.1 D26.2@53.1,14.2
  Top Layer w0.203: U8.30@27.045,19.8 v1(27.9,19.8)
  Inner Layer 2 w0.152: v1(27.9,19.8) 30.9,19.8 34.8,15.9 50.7,15.9 v1(53,13.6)
NetD27_2: D27.2 U8.19 | length 19.6
  Top Layer w0.152: D27.2@40.9,11.2 41,11.1 v1(41,10.6)
  Top Layer w0.203: U8.19@25.3,16.5 v1(25.3,17.1)
  Bottom Layer w0.152: v1(25.3,17.1) 26.3,16.1 26.9,16.1 27.379,15.621 30.779,15.621 35,11.4 40.2,11.4 v1(41,10.6)
NetD28_2: D28.2 U8.25 | length 19
  Top Layer w0.152: v1(41,13.6) D28.2@41,14.225
  Top Layer w0.203: v1(26.4,17.8) U8.25@27.045,17.8
  Inner Layer 2 w0.152: v1(26.4,17.8) 26.8,17.4 26.8,16.2 27.6,15.4 32.1,15.4 34.7,12.8 40.2,12.8 v1(41,13.6)
NetD29_2: D29.2 U8.31 | length 23.1
  Top Layer w0.152: v1(41,16.6) D29.2@41,17.2
  Top Layer w0.203: v1(26.4,20.2) U8.31@27.045,20.2
  Inner Layer 2 w0.152: v1(26.4,20.2) 26.9,20.7 26.9,21.6 27.579,22.279 40.121,22.279 41.9,20.5 41.9,17.5 v1(41,16.6)
NetD30_2: D30.2 U8.20 | length 35.4
  Top Layer w0.152: v1(53,7.6) D30.2@53,8.3
  Top Layer w0.203: v1(25.7,15.6) U8.20@25.7,16.455 U8.20@25.7,16.5
  Inner Layer 2 w0.152: v1(25.7,15.6) 26.6,14.7 32,14.7 34.479,12.221 52.679,12.221 53.8,11.1 53.8,8.4 v1(53,7.6)
NetD31_2: D31.2 U8.26 | length 22.6
  Top Layer w0.152: v1(47,13.6) D31.2@47,14.3
  Top Layer w0.203: U8.26@27.045,18.2 v1(27.9,18.2)
  Inner Layer 2 w0.152: v1(27.9,18.2) 31.5,18.2 34.5,15.2 45.4,15.2 45.9,14.7 v1(47,13.6)
NetD32_2: D32.2 U8.32 | length 9
  Top Layer w0.152: v1(35,19.6) D32.2@35,20.2
  Top Layer w0.203: U8.32@27.045,20.6 v1(27.9,20.6)
  Inner Layer 2 w0.152: v1(27.9,20.6) 34,20.6 v1(35,19.6)
NetD33_1: D33.1 R31.1 | length 8.8
  Top Layer w0.305: v1(4,32.9) D33.1@4.5,32.9
  Bottom Layer w0.203: v1(4,32.9) 4,30.9 7,27.9 8.2,27.9 v1(8.8,27.3)
NetD33_2: D33.2 U10.3 | length 11.5
  Top Layer w0.203: D33.2@6.125,32.9 v1(6.8,32.9) ; U10.3@12.375,25.45 12.375,28.675 v1@12.4,28.7
  Bottom Layer w0.203: v1(6.8,32.9) 6.8,32.4 10.5,28.7 v1(12.375,28.7)
NetD34_2: D34.2 U8.21 | length 21.8
  Top Layer w0.152: v1(44,10.6) D34.2@44,11.2
  Top Layer w0.203: U8.21@26.1,16.5 v1(26.1,17.1)
  Bottom Layer w0.152: v1(26.1,17.1) 26.7,16.5 27,16.5 27.6,15.9 30.9,15.9 35,11.8 42.8,11.8 v1(44,10.6)
NetD35_2: D35.2 U8.27 | length 16.2
  Top Layer w0.152: v1(38,13.6) D35.2@38,14.225
  Top Layer w0.203: v1(26.4,18.6) U8.27@27.045,18.6
  Inner Layer 2 w0.152: v1(26.4,18.6) 27.2,17.8 27.2,16.3 27.75,15.75 32.15,15.75 34.8,13.1 37.5,13.1 v1(38,13.6)
NetD36_2: D36.2 U8.33 | length 14
  Top Layer w0.152: v1(35,16.6) D36.2@35,17.225
  Top Layer w0.203: U8.33@27.045,21 27.5,21 v1(27.9,21.4)
  Inner Layer 2 w0.152: v1(27.9,21.4) 34.2,21.4 36.1,19.5 36.1,17.7 v1(35,16.6)
NetD37_2: D37.2 U8.22 | length 40.1
  Top Layer w0.152: D37.2@52.725,23 v1(53.3,23)
  Top Layer w0.203: v1@26.5,15.8 U8.22@26.5,16.455
  Inner Layer 2 w0.152: v1(26.5,15.6) 27.1,15 32.1,15 34.6,12.5 52.7,12.5 54.1,13.9 54.1,22.2 v1(53.3,23)
NetD38_2: D38.2 U8.28 | length 25.7
  Top Layer w0.152: v1(50,13.6) D38.2@50,14.2
  Top Layer w0.203: U8.28@27.045,19 v1@27.8,19
  Inner Layer 2 w0.152: v1(27.9,19) 31.2,19 34.65,15.55 48.05,15.55 v1(50,13.6)
NetD39_2: D39.2 U8.34 | length 19.7
  Top Layer w0.152: v1(38,16.6) D39.2@38,17.2
  Top Layer w0.203: U8.34@26.5,21.5 U8.34@26.5,21.545 v1(26.5,22.4)
  Bottom Layer w0.152: v1(26.5,22.4) 26.8,22.7 37.6,22.7 38.9,21.4 38.9,17.5 v1(38,16.6)
NetD40_2: D40.2 U8.23 | length 10
  Top Layer w0.152: v1(35,13.6) D40.2@35,14.225
  Top Layer w0.203: U8.23@27.045,17 27.5,17 v1(27.9,16.6)
  Inner Layer 2 w0.152: v1(27.9,16.6) 32,16.6 v1(35,13.6)
NetD41_2: D41.2 U8.29 | length 19
  Top Layer w0.152: v1(41,19.6) D41.2@41,20.1
  Top Layer w0.203: v1(26.4,19.4) U8.29@27.045,19.4
  Inner Layer 2 w0.152: v1(26.4,19.4) 27.2,20.2 27.2,21.5 27.7,22 39.4,22 41,20.4 v1(41,19.6)
NetD42_2: D42.2 U8.35 | length 15.1
  Top Layer w0.152: v1(38,19.6) D42.2@38,20.3
  Top Layer w0.203: v1(26.1,20.8) U8.35@26.1,21.5
  Bottom Layer w0.152: v1(26.1,20.8) 26.5,20.8 27.6,21.9 36.4,21.9 38,20.3 v1(38,19.6)
NetJ1_A5: J1.A5 R11.2 | length 11.2
  Top Layer w0.203: R11.2@4.975,0.9 4.4,1.475 4.4,8.4 5.725,9.725 J1.A5@7.333,9.725
NetJ1_B5: J1.B5 R10.2 | length 5.8
  Top Layer w0.203: R10.2@4.975,2.7 4.975,5.775 5.925,6.725 J1.B5@7.333,6.725
NetJ2_3: J2.3 R7.1 | length 8
  Top Layer w0.305: R7.1@48.7,35.5 48.8,35.4 v1(48.8,35.1)
  Bottom Layer w0.203: v1(48.8,35.1) 50.2,35.1 50.9,34.4 53.1,34.4 53.9,35.2 J2.3@55.7,35.2
NetJ5_5: J5.5 JP1.1 | length 4.1
  Top Layer w0.203: J5.5@16.08,37 J5.5@16.19,37.11
  Top Layer w0.305: J5.5@16.2,37.1 16.7,37.6 18.4,37.6 JP1.1@19.5,36.5
NetQ1_2: Q1.2 R2.1 | length 5.6
  Top Layer w0.203: Q1.2@40.145,38.391 41.1,37.435 41.1,37 41.7,36.4 43.425,36.4 R2.1@44.3,35.525
NetQ2_1: Q2.1 U1.4 | length 3.7
  Top Layer w0.305: Q2.1@25.309,3.545 26.245,3.545 27.55,4.85 U1.4@28.425,4.85